# Altium PCB 2226_RegThermique.PcbDoc (part 1 of 2)
Units mm, origin at the board's own origin, x right, y up, seen from the top; angles counter-clockwise.
Board outline 171 x 110 mm, 2 copper layers (Top Layer, Bottom Layer), stack 1.586 mm thick; 162 components, 82 nets, 412 pads, 349 vias.
Unrouted connection lines stored in the file: 65.
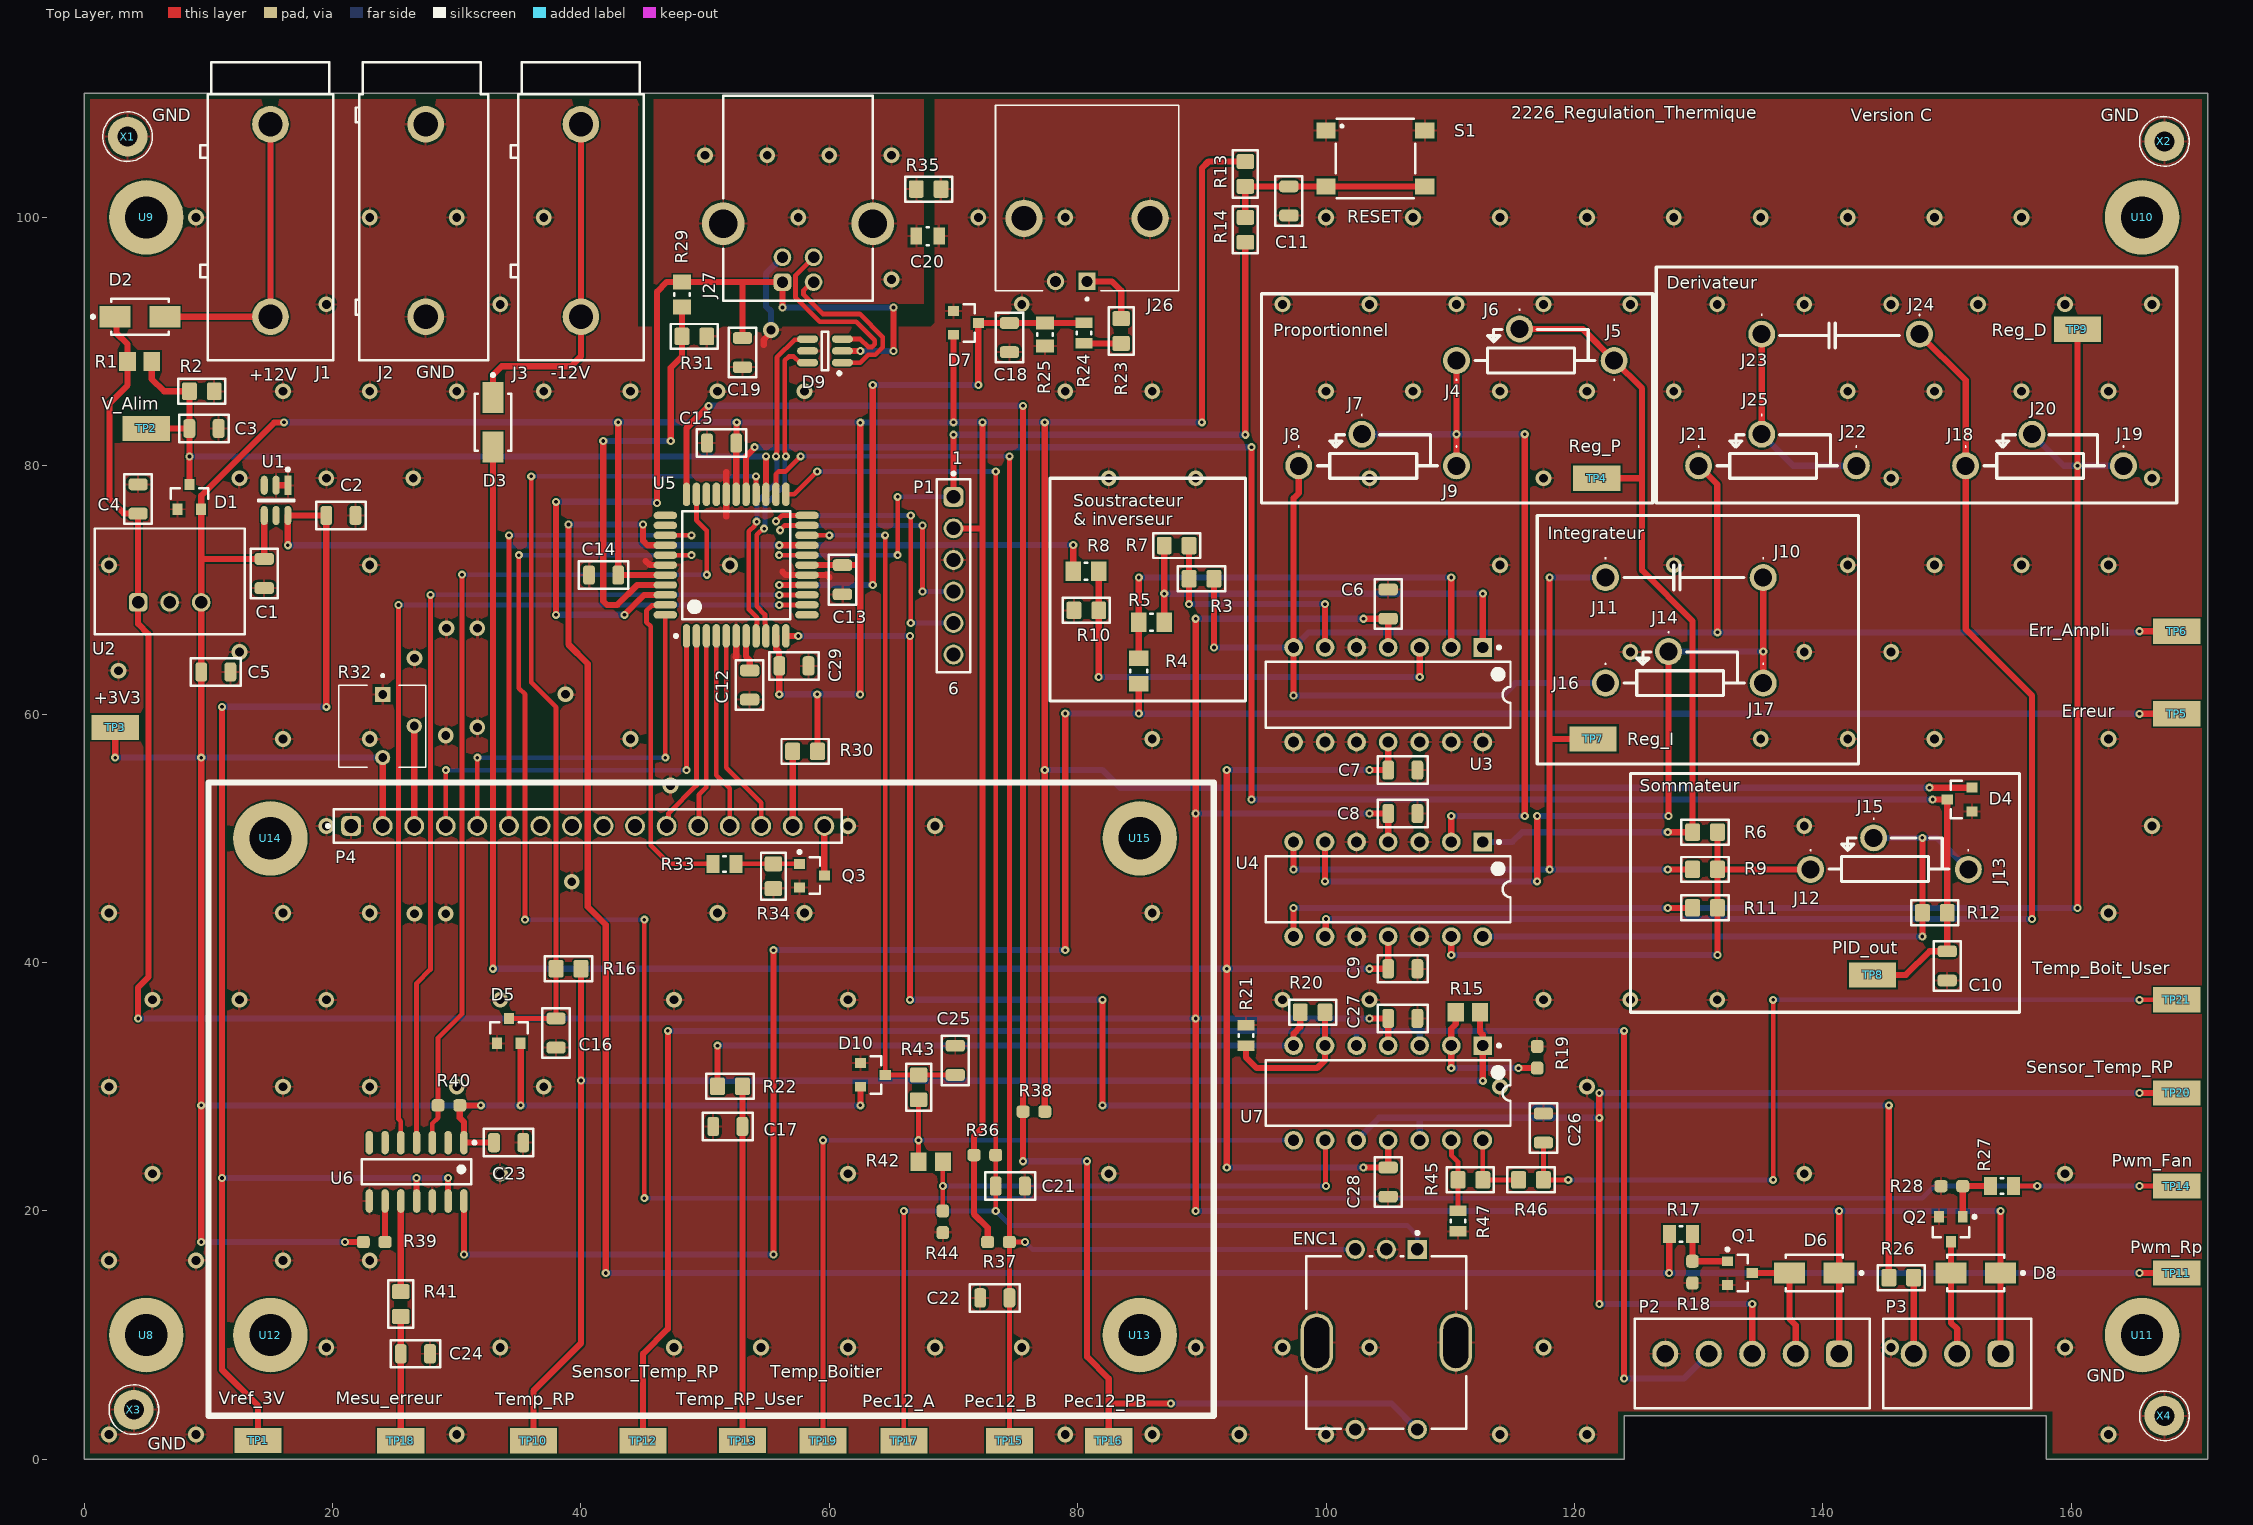
[diagram p0: Top Layer view]
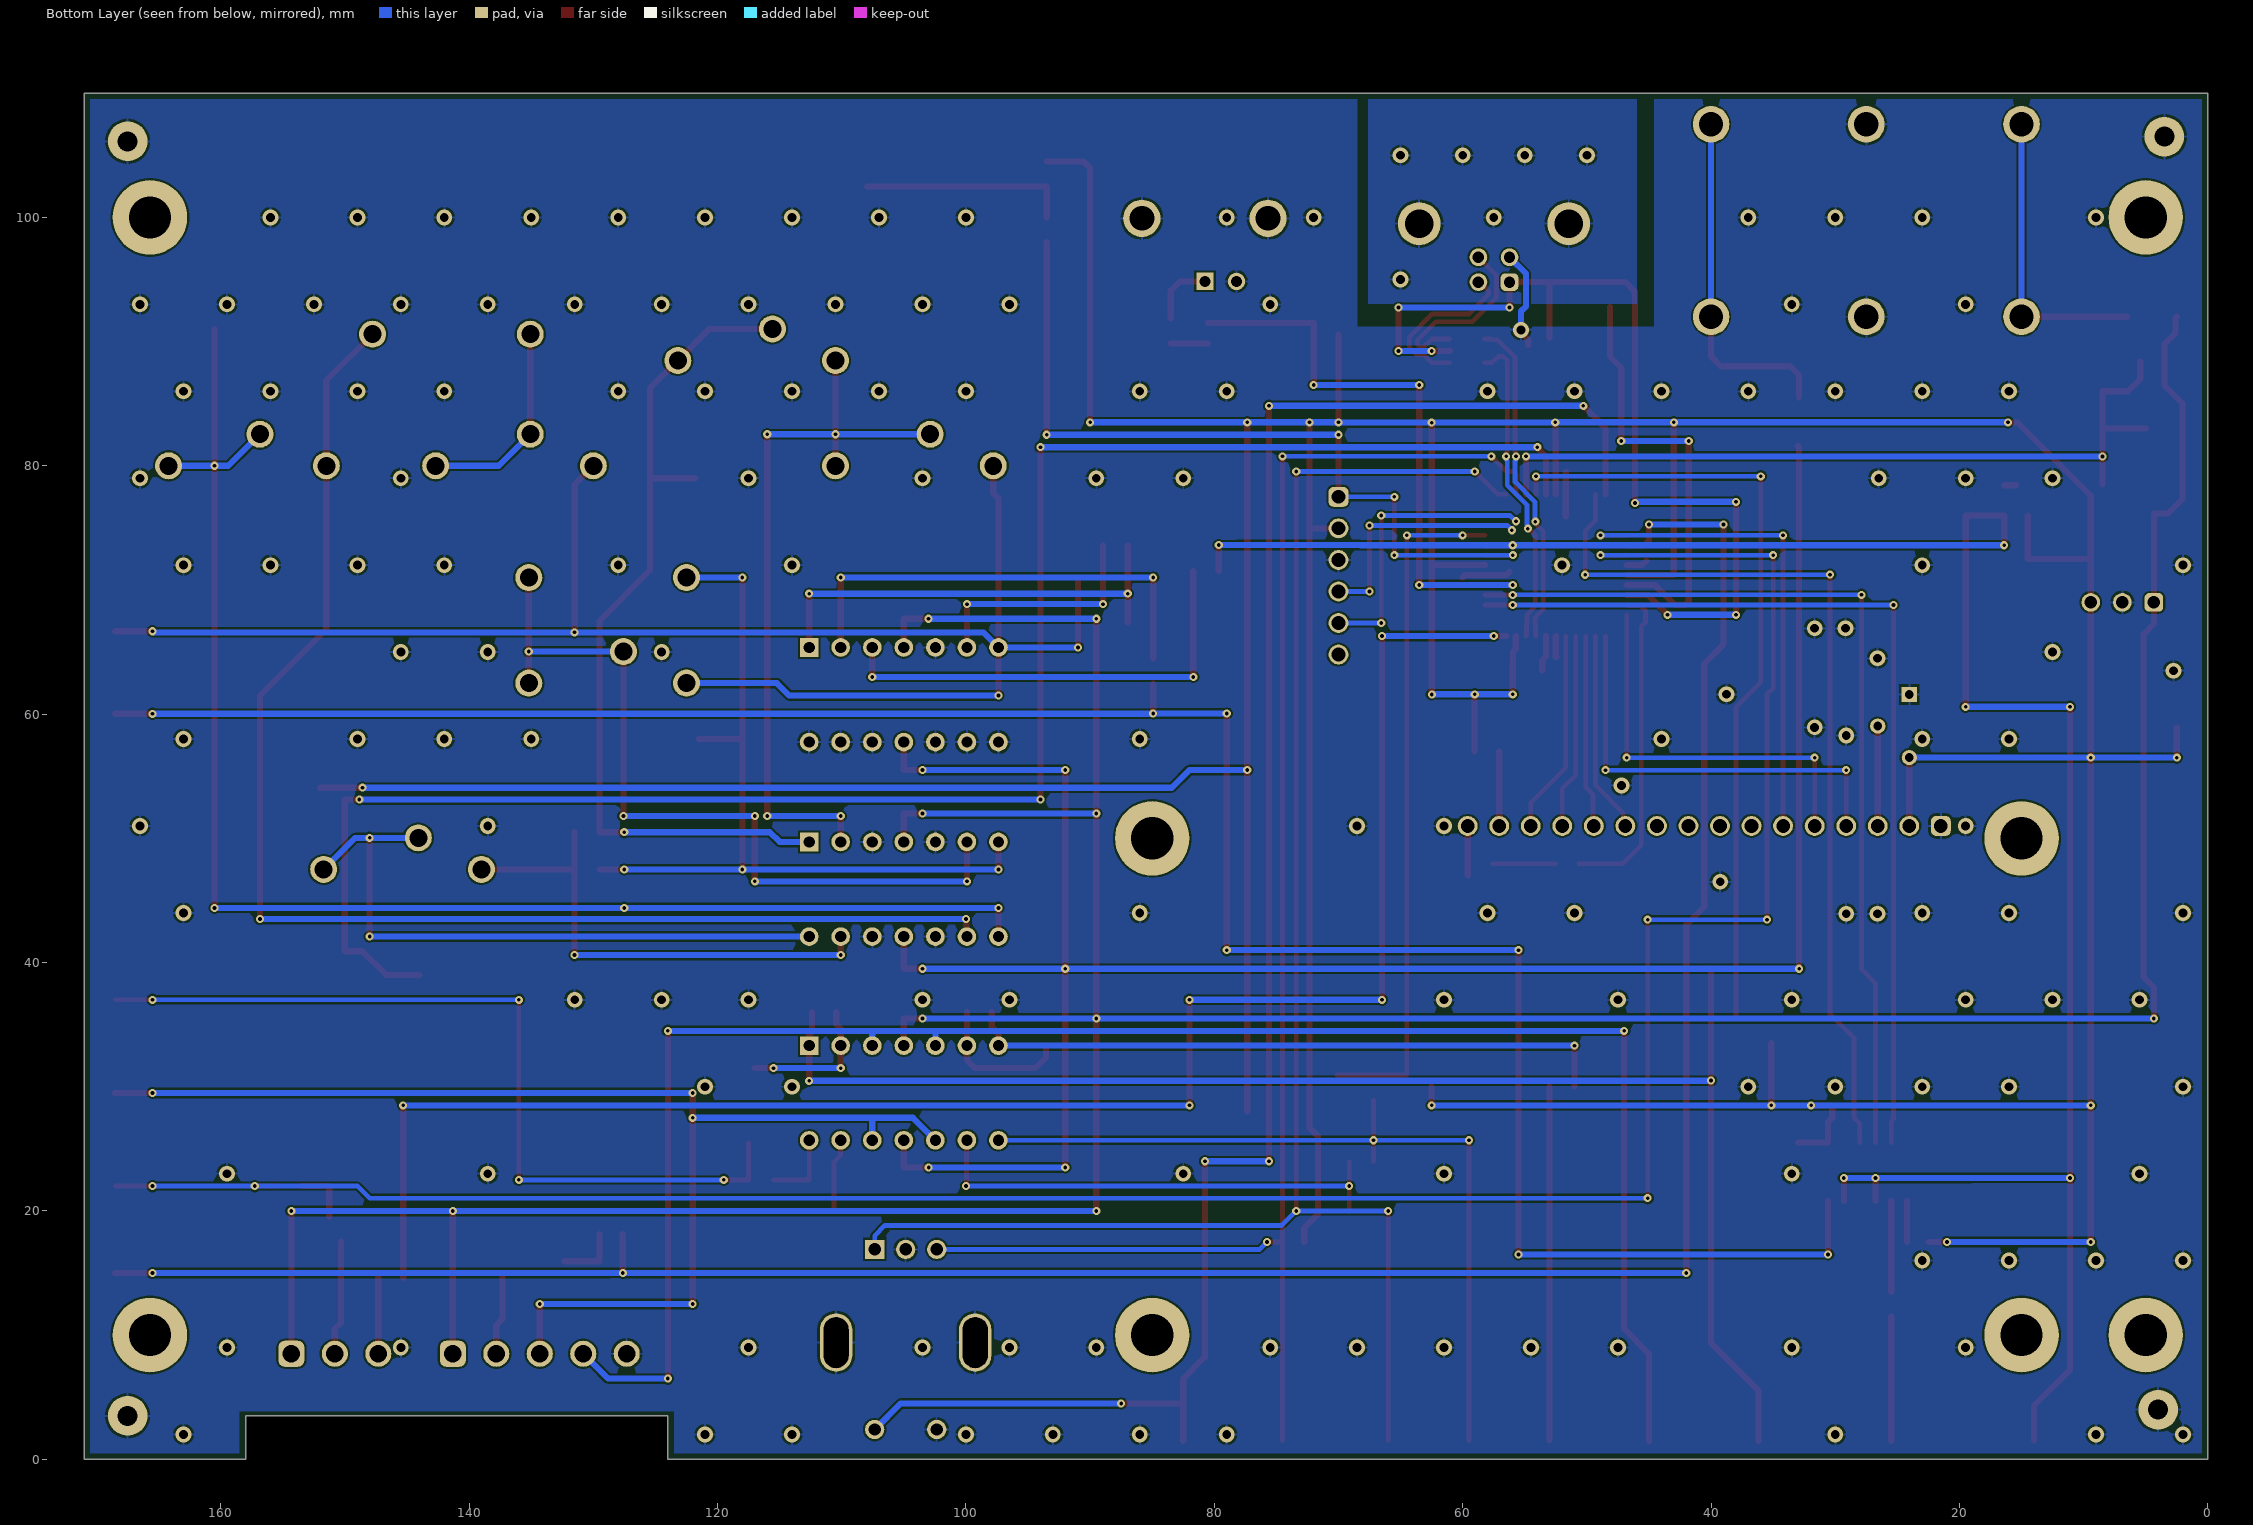
[diagram p1: Bottom Layer view, seen from below]
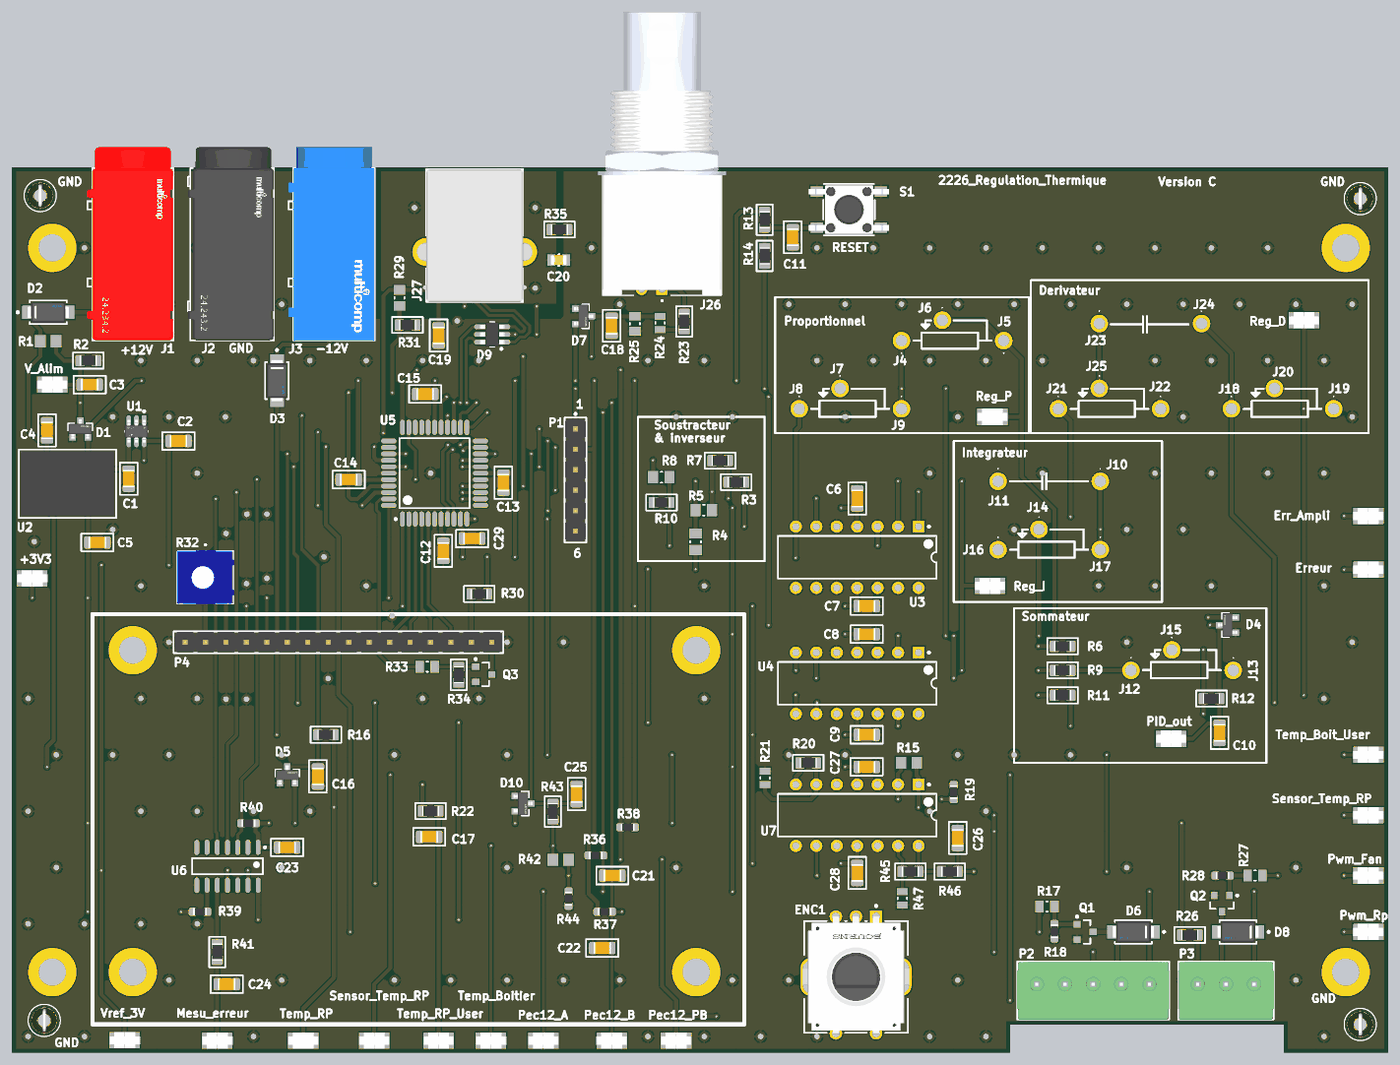
[diagram p3: 3D render of the assembled board from above, using the file's embedded part models]

## Layer stack, top to bottom
Top Solder: solder mask 0.0102, Solder Resist, Dk 3.5
Top Layer: signal copper 0.018
Dielectric1: core 1.55, FR-4, Dk 4.8
Bottom Layer: signal copper 0.018
Bottom Solder: solder mask 0.0102, Solder Resist, Dk 3.5

## Board outline
0,0 0,110 171,110 171,0 158,0 158,3.5 124,3.5 124,0

## Design rules (kind name [scope] priority, off if disabled: settings)
BoardOutlineClearance [All] p1: gap=0.25 ignorepadtopadclearanceinfootprint=FALSE except(0: Arc-SplitContinuation Track-OutlineEdge Track-SplitContinuation SMDPad-SplitContinuation THPad-SplitContinuation Via-SplitContinuation Fill-SplitContinuation Poly-SplitContinuation Region-SplitContinuation Text-SplitContinuation)
Clearance Clearance-xPP-xTP-xTT [All] p1: gap=0.151 ignorepadtopadclearanceinfootprint=FALSE
ComponentClearance [All] p1: gap=0.25 collisioncheckmode=3 verticalgap=0.25 showdistances=FALSE
DiffPairsRouting [All] p1: maxlimit=0.25 minlimit=0.25 mostfreqgap=0.25 toplayer_minwidth=0.381 toplayer_maxwidth=0.381 toplayer_prefwidth=0.381 bottomlayer_minwidth=0.381 bottomlayer_maxwidth=0.381 bottomlayer_prefwidth=0.381 maxuncoupledlength=12.5
Height [All] p1: minheight=0 maxheight=25 prefheight=12.5
HoleSize HoleSize-PTH [All] p1: absolutevalues=TRUE maxlimit=10 minlimit=0.25 maxpercent=80.000 minpercent=20.000
HoleToHoleClearance [All] p1: gap=0.35 allowstackedmicrovias=TRUE
MinimumAnnularRing "Minimum IAR  >0.45mm" [((ObjectKind = 'Pad') OR (ObjectKind = 'Via')) And (Layer = 'MultiLayer') And (HoleDiameter > AsMM(0.45))] p1: minimumring=0.175 // minimum inner annular ring for pads > 0.45mm finished hole size
MinimumAnnularRing "Minimum IAR <=0.45mm" [((ObjectKind = 'Pad') OR (ObjectKind = 'Via')) And (Layer = 'MultiLayer') And (HoleDiameter <= AsMM(0.45))] p2: minimumring=0.175 // minimum inner annular ring for pads <= 0.45mm finished hole size
MinimumSolderMaskSliver [All] p1: minsoldermaskwidth=0.08
PasteMaskExpansion [All] p1: expansion=-0.025
PlaneClearance PlaneClearance-IPI [All] p1: clearance=0.5
PlaneConnect [All] p1: planeconnectstyle=Relief reliefexpansion=0.175 reliefentries=4 reliefconductorwidth=0.2 reliefairgap=0.2
PolygonConnect PolygonConnect-xTW [All] p1: connectstyle=Relief reliefconductorwidth=0.2 reliefentries=4 polygonreliefangle="90 Angle" airgapwidth=0.2
RoomDefinition Alimentations [InComponentClass('Alimentations')] p1: confinementstyle=ConfineIn formatcopy=TRUE lockcomponents=FALSE outline -184,-70.197 491.066,-70.197 491.066,147.5 -184,147.5
RoutingCorners [All] p1: cornerstyle=45-Degree minsetback=2.5 maxsetback=2.5
RoutingVias RoutingViasES [All] p1: holewidth=0.3 width=0.65 viastyle="Through Hole" minholewidth=0.25 minwidth=0.61 maxholewidth=1 maxwidth=1.5 // finishet hole size <= 0.45mm
SilkToSilkClearance [All] p1: silktosilkclearance=0
SilkToSolderMaskClearance SilkscreenOverComponentPads [IsPad] p1: minsilkscreentomaskgap=0 clearancetoexposedcopper=TRUE
SolderMaskExpansion [All] p1: expansion=0 istentingtop=FALSE
SupplyNets "Schematic Supply Nets_5" [InNet('USB-shield')] p1: voltage=0.000
SupplyNets "Schematic Supply Nets_3" [InNet('GND')] p2: voltage=0.000
SupplyNets "Schematic Supply Nets_2" [InNet('+3,3V')] p3: voltage=0.000
SupplyNets "Schematic Supply Nets_1" [InNet('+12V')] p4: voltage=0.000
SupplyNets "Schematic Supply Nets" [InNet('-12V')] p5: voltage=0.000
UnRoutedNet [All] p1: checkbadconnections=TRUE
Width Width_C12_2 [InNet('NetC12_2')] p1: maxlimit=1.5 minlimit=0.5 preferedwidth=1.5
Width Width_B1_5 [InNet('NetB1_5')] p2: maxlimit=1.5 minlimit=0.5 preferedwidth=1.5
Width Width_C1_1 [InNet('NetC1_1')] p3: maxlimit=1.5 minlimit=0.5 preferedwidth=1.5
Width -12V [InNet('-12V')] p4: maxlimit=1.5 minlimit=0.5 preferedwidth=0.5
Width +12V [InNet('+12V')] p5: maxlimit=1.5 minlimit=0.5 preferedwidth=1
Width Width-Vcc_D5_A [InNet('NetD5_A')] p6: maxlimit=1.5 minlimit=0.5 preferedwidth=1
Width +5V [InNet('+5V')] p7: maxlimit=1.5 minlimit=0.5 preferedwidth=1
Width Width-Vcc_MOT- [InNet('No Net')] p8: maxlimit=1.5 minlimit=0.5 preferedwidth=1
Width Width_GND [InNet('GND')] p9: maxlimit=0.5 minlimit=0.5 preferedwidth=0.5
Width [All] p10: maxlimit=0.5 minlimit=0.254 preferedwidth=0.254
17 further rules are at their usual default settings.

## Classes and differential pairs
net class Shield: USB-shield
component class SensorAndRpower: C16 C17 C18 C25 C26 C27 C28 D5 D6 D7 D8 D10 J26 P2 P3 Q1 Q2 R15 R16 R17 R18 R19 R20 R21 R22 R23 R24 R25 R26 R27 R28 R42 R43 R44 R45 R46 R47 TP10 TP11 TP12 TP13 TP14 TP19 TP20 TP21 U7
component class RegulationPID: C6 C7 C8 C9 C10 D4 J4 J5 J6 J7 J8 J9 J10 J11 J12 J13 J14 J15 J16 J17 J18 J19 J20 J21 J22 J23 J24 J25 R3 R4 R6 R7 R8 R9 R10 R11 R12 TP4 TP5 TP6 TP7 TP8 TP9 U3 U4
component class USB_LCD_DAC_ComuRoat: C19 C20 C21 C22 C23 C24 D9 J27 P4 Q3 R29 R30 R31 R32 R33 R34 R35 R36 R37 R38 R39 R40 R41 TP15 TP16 TP17 TP18 U6
component class MCU: C11 C12 C13 C14 C15 C29 P1 R13 R14 S1 U5
component class Alimentations: C1 C2 C3 C4 C5 Cap_high D1 D2 D3 J1 J2 J3 R1 R2 TP1 TP2 TP3 TP22 TP23 TP24 TP26 TP27 TP28 U1 U2 U8 U9 U10 U11 U12 U13 U14 U15 Uart_Tx X1 X2 X3 X4
differential pair USB: +USB_P -USB_N
differential pair USB_CON: +USB_CON_P -USB_CON_N
